# Altium PCB HYDRA_V3_LINK_V2.PcbDoc (part 2 of 2)
Units mm, origin at the board's own origin, x right, y up, seen from the top; angles counter-clockwise.
Board outline 50 x 45 mm, 6 copper layers (Top Layer, GND_1, SIG, PWR, GND_2, Bottom Layer), stack 0.816 mm thick; 161 components, 98 nets, 576 pads, 136 vias.
Unrouted connection lines stored in the file: 1.
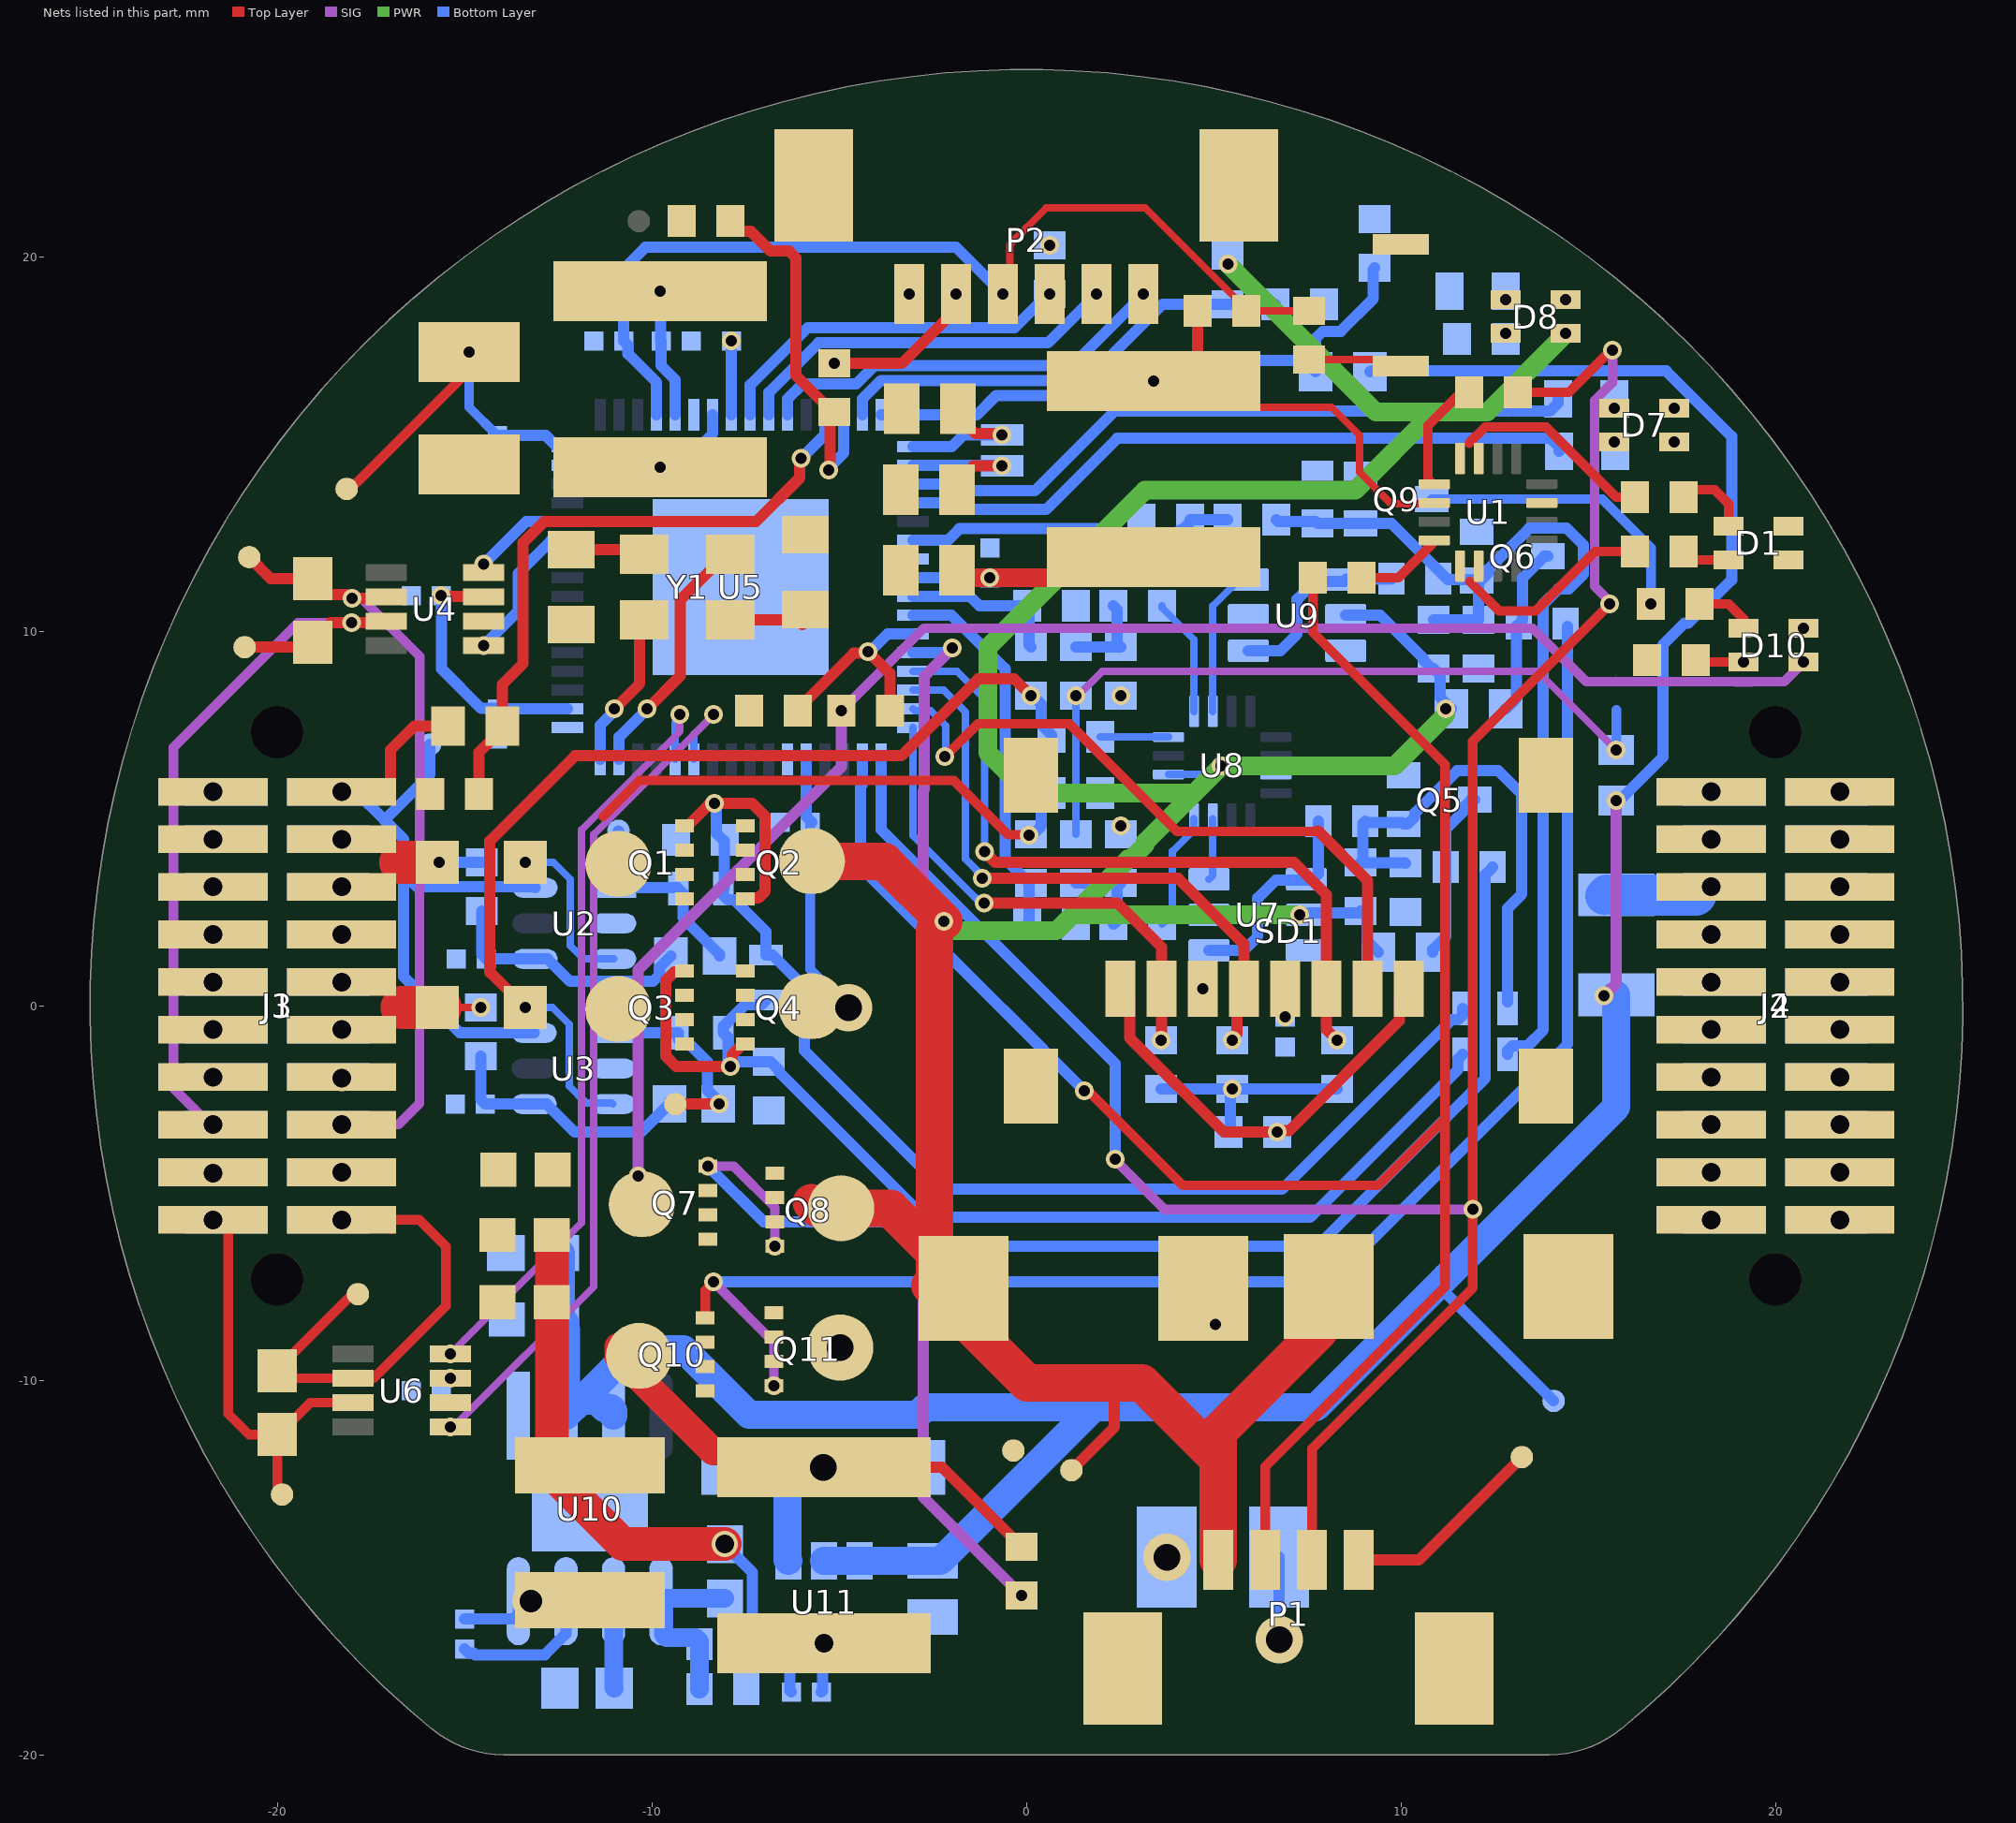
[diagram p6: the nets of this part, all layers, seen from the top]

## Part data (continued)
SD1: library part CMP-2000-05245-1, "MicroSD Card Connector, Hinge Type, -40 to 85 degC, 8-Pin SMD, RoHS, Tape and Reel", Current Rating=500mA, Manufacturer=Molex, Voltage Rating=100VDC, Brand=Molex, Card Type=microSD, Contact Material=CopperAlloy, Datasheet URL=http://www.molex.com/pdm_docs/sd/472192001_sd.pdf, Datasheet Version="Rev. F, 06/2009", Factory Pack Quantity=2400, Housing Material=Thermoplastic, Insertion - Extraction Style=Hinged, Manufacturer URL=http://www.molex.com/, Mounting Style=SMD/SMT, Number Of Contacts=8, Packaging=Reel, Pitch=1.09mm, Product=CardConnectors, Product Category=MemoryCardConnectors, RoHS=Details, Series=47219, Termination Style=SMD
SW1: library part CMP-10040-000029-1, "SWITCH TACTILE SPST-NO 0.02A 15V", Current Rating=5A, Flammability Rating="UL94 V-0", Insulation Color=Black, Max Operating Temperature=85°C, Min Operating Temperature=-40°C, Operating Force=240gf, Actuator Type=Standard, Connector Type=USB, Contact Plating=Gold, Gender=Receptacle, Illumination Type=Non-Illuminated, Mechanical Life=500000Cycles, Mount="Surface Mount", Number Of Contacts=24, Number of Ports=1, Packaging="Tape and Reel", Switch Function=Off-Mom, Switch Travel=0.13mm, Termination=Solder, Throw Configuration=SPST
TP1 TP2 TP3 TP4 TP5 TP6 TP7 TP8 TP9 TP10 TP11 TP12 TP13: library part CMP-00028-00002-2, "0.6mm round", Pins=1
U1 U8: library part CMP-014-00004-1, "LM2902 Series 30 V 1.3 MHz Low-Power Quad Operational Amplifier - QFN-16 (3x3)"
U2 U3: library part CMP-04896-000098-1, "40V, RAIL-TO-RAIL INPUT, PUSH-PU"
U4 U6: library part CMP-04872-000178-1, "IC TRANSCEIVER 1/1 SOT23-8", Case/Package=SOT-23-8, Max Operating Temperature=125°C, Min Operating Temperature=-40°C, Data Rate=1Mbps, Lead Free="Lead Free", Mount="Surface Mount", Packaging="Tape and Reel", RoHS Compliant=Yes
U5: library part CMP-016-00010-6, "Rudimentary symbol and footprint for the SAM E51 microcontroller"
U7 U9: library part CMP-0859-00189-4, "IC LTCH D-TYP SGL 3-OUT SOT-23-6", Ambient Temperature Range High=+125°C, Ambient Temperature Range Low=-40°C, Frequency=150MHz, Manufacturer="Texas Instruments", Max Junction Temp=+150°C, Max Supply Voltage=5.5V, Min Supply Voltage=1.5V, Nominal Supply Current=10uA, Package=DBV0006A, Temperature="-40°C to +125°C", Automotive=No, Category=IC, ComponentLink2Description=Datasheet, ComponentLink2URL=http://www.ti.com/lit/ds/symlink/sn74lvc1g373.pdf, Device Class L1="Integrated Circuits (ICs)", Device Class L2="Logic ICs", Device Class L3="Latches and Flip Flops", Digikey Description="IC LTCH D-TYP SGL 3-OUT SOT-23-6", Height=1.45mm, Lead Free=Yes, Logic Function Desc=Non-Inverting, Manufacturer Part Number=SN74LVC1G373DBVR, Mouser Description="Latches Sngl D Type Latch", Number of Circuits=1, Number of Inputs=1, Number of Outputs=1, Octopart=https://octopart.com/sn74lvc1g373dbvr-texas+instruments-471164, Propagation Delay=4.5ns, RoHS=TRUE, Standoff Height=0mm, Temperature Range High=+125°C, Temperature Range Low=-40°C
U10: library part CMP-019-00055-1, "Switching Regulator, Current-mode, 4A, 1000kHz Switching Freq-Max, PDSO8"
U11: library part CMP-12757-000006-1, "IC REG BUCK 3.3V 2A TSOT26", Ambient Temperature Range High=+85°C, Ambient Temperature Range Low=-40°C, Manufacturer="Diodes Inc.", Max Junction Temp=+160°C, Max Supply Voltage=32V, Min Supply Voltage=3.8V, Nominal Supply Current=22uA, Output Current=2A, Output Voltage=3.3V, Package=TSOT26, Switching Frequency=1.1MHz, Temperature="to +160°C", Automotive=No, Category=IC, ComponentLink2Description=Datasheet, ComponentLink2URL=https://www.diodes.com/assets/Datasheets/AP63200-AP63201-AP63203-AP63205.pdf, Device Class L1="Integrated Circuits (ICs)", Device Class L2="Power Management ICs", Device Class L3="Voltage Regulators - Switching", Digikey Description="IC REG BUCK 3.3V 2A TSOT26", Footprint Url=https://www.diodes.com/assets/Package-Files/TSOT26.pdf, Height=1mm, Lead Free=Yes, Manufacturer Part Number=AP63203WU-7, Mouser Description="AP63203 Series 3.3 V 2 A SMT Fixed Low IQ Synchronous Buck - TSOT-26", Number of Outputs=1, Octopart=https://octopart.com/ap63203wu-7-diodes+inc.-98099550, Output Type=Fixed, RoHS=TRUE, Standoff Height=0.01mm, Switching Topology=Buck, Temperature Range High=+160°C
Y1: library part CMP-27762-011708-1, "Crystal 48MHz ±20ppm 18pF SMD-4 3.2mm x 2.5mm", Case/Package=CSMD, ESR (Equivalent Series Resistance)=35R, Frequency=48MHz, Frequency Stability=50ppm, Frequency Tolerance=20ppm, Load Capacitance=18pF, Max Operating Temperature=70°C, Min Operating Temperature=-20°C, Operating Frequency="48 MHz", Package Quantity=1000, Resistor Type=Ceramic, Depth=2.5mm, Height=0.031inch, Lead Free="Lead Free", Length=3.2mm, Mount="Surface Mount", Number of Pins=4, Packaging="Tape and Reel", Radiation Hardening=No, REACH SVHC="No SVHC", RoHS Compliant=Yes, Series=ABM8, Series Resistance=35R, Termination=SMD/SMT, Tolerance=20ppm, Width=0.098inch
Y2: library part CMP-40224-000006-1, "CRYSTAL 32.7680KHZ 12.5PF SMD", Frequency=32.768kHz, Load Capacitance=12.5pF, Manufacturer="ECS International", Package=ECX-1210, Temperature="-40°C to +85°C", Temperature Range High=+85°C, Temperature Range Low=-40°C, Tolerance=20ppm, Automotive=No, Category=Crys, ComponentLink2Description=Datasheet, ComponentLink2URL=https://ecsxtal.com/store/pdf/ECX-1210.pdf, Device Class L1="Passive Components", Device Class L2="Crystals / Oscillators", Device Class L3=Crystals, Digikey Description="CRYSTAL 32.7680KHZ 12.5PF SMD", Esr=90kΩ, Height=0.5mm, Lead Free=Yes, Manufacturer Part Number=ECS-.327-12.5-1210-TR, Octopart=https://octopart.com/ecs-.327-12.5-1210-tr-ecs+international-81221340, RoHS=TRUE, Series=ECX-1210

## Via types
v1: diameter 0.5, hole 0.3, Top Layer to Bottom Layer, 88 vias
v2: diameter 0.7, hole 0.5, Top Layer to Bottom Layer, 42 vias
v3: diameter 1.27, hole 0.711, Top Layer to Bottom Layer, 5 vias
v4: diameter 1, hole 0.6, Top Layer to Bottom Layer, 1 vias

## Nets (pads, with @x,y where several pads share a name; then routed paths per layer and width w, separated by ;. In a path a pad name is that pad's centre, name@x,y a point inside that pad or via, vN(x,y) a via of type N, cw(c..) or ccw(c..) an arc to the next point about the centre after c; other vN are vias at no path point)
3V3: C3.1 C7.1 C8.2 C10.2 C11.1 C12.1 C18.1 C26.2 C27.2 D7.2 D7.3 D8.3 D10.3 L1.1 P2.5 Q4.5-6-7-8 Q11.5-6-7-8 R13.2 R20.2 R26.1 R29.2 R30.2 R31.2 R32.2 SD1.4 TP7.TAP U1.2 U4.3 U5.21 U5.34 U5.48 U5.56 U6.3 | length 50
  Top Layer w0.2: v1(3.4,16.675) 4.1,15.975 8.15,15.975 8.75,15.375 8.9,15.225 8.9,14.24 9.735,13.405 U1.2@10.722,13.405
  Top Layer w0.254: TP7.TAP@-18.038,13.812 -18.038,13.818 -17.883,13.973 -17.877,13.973 -14.875,16.975 C27.2@-14.875,17.45 ; C27.2@-15.432,16.898 v1(-14.88,17.45)
  Top Layer w0.3: TP7.TAP@-18.15,13.8 TP7.TAP@-18.093,13.857 ; v1(-15.625,10.95) -15.607,10.932 -14.516,10.932 U4.3@-14.497,10.913 ; C27.2@-15.43,17.45 v1(-14.88,17.45) ; v1(-5.125,17.15) -3.325,17.15 -1.875,18.6 v1(-1.875,19) ; L1.1@4.575,17 R26.1@4.575,18.55
  Bottom Layer w0.254: v1(-14.88,17.45) -14.88,15.98 C7.1@-14.125,15.225 ; C12.1@-5.775,4.9 -5.775,0.97 v3(-4.755,-0.05)
  Bottom Layer w0.3: C8.2@-15.616,10.941 -15.616,8.991 -14.562,7.937 C11.1@-14.125,7.937 ; C11.1@-14.125,7.925 -12.532,7.925 U5.34@-12.257,7.925 ; C7.1@-14.125,15.225 -12.832,15.225 -12.532,14.925 U5.48@-12.257,14.925 ; U5.56@-7.875,15.775 v1(-7.875,17.75) ; U5.21@-5.875,6.575 -5.875,5.05 C12.1@-5.725,4.9 ; R31.2@3.6,-2.225 v1(5.5,-2.225) ; R32.2@5.4,-3.375 5.45,-3.325 5.45,-2.275 v1(5.5,-2.225) ; v3(6.75,-16.925) C26.2@6.75,-14.725 ; R30.2@8.3,-2.225 v1(5.5,-2.225)
  other v1: -15.385,-9.95 6.905,-0.3 20.75,10.075 17.3,15.05 17.3,15.95 14.4,18.85 0.625,20.3
  other v3: -4.975,-9.128
3V3_CUTOFF_MOSFET: D2.C D5.A D6.C Q3.4 Q4.4 R6.2 | length 30.9
  Top Layer w0.3: Q3.4@-9.13,0.925 -9.155,0.9 -9.405,0.9 -9.632,0.673 -9.632,-1.343 -9.35,-1.625 v1(-7.9,-1.625) -7.862,-1.587 -7.862,-1.307 -7.58,-1.025 Q4.4@-7.505,-1.025
  Bottom Layer w0.3: v1(-7.9,-1.625) -7.9,-1.571 -7.969,-1.502 -7.969,-0.85 D6.C@-8.094,-0.725 -8.094,-0.55 -7.519,0.025 -7.075,0.025 D5.A@-6.95,0.15 ; v1@-7.721,-1.5 -6.825,-1.5 -6.6,-1.725 -6.6,-1.775 -2.725,-5.65 7.575,-5.65 11.525,-1.7 11.525,-1.425 D2.C@11.65,-1.3
3V3_EXT_SENSE: R54.1 R56.2 U5.9 | length 4.3
  Bottom Layer w0.3: U5.9@-3.025,10.925 -1.5,10.925 -1.25,10.675 R56.2@0.025,10.675 0.075,10.625 0.075,9.625 R54.1@0.125,9.575
3V3_INT_SENSE: R66.1 R67.2 U5.12 | length 27.8
  SIG w0.3: v1(-1.975,9.55) -2.725,8.8 -2.725,5.773 -2.751,5.747 -2.751,-13.124 v1(-0.125,-15.75)
  Bottom Layer w0.3: U5.12@-3.025,9.425 -2.181,9.425 -2.056,9.55 v1(-1.975,9.55)
3V3_OC_TP: D6.A R11.1 TP2.1 U3.1 | length 5.3
  Top Layer w0.3: TP2.1@-9.375,-2.625 v1@-8.206,-2.624
  Bottom Layer w0.3: U3.1@-11.045,-0.725 D6.A@-9.294,-0.725 -9.294,-0.9 -9.169,-1.025 -8.994,-1.025 -8.519,-1.5 -8.519,-2.25 R11.1@-8.219,-2.55
  other v1: -8.205,-2.623
3V3_POST_SHUNT: Q3.5-6-7-8 R9.2 R51.2 R54.2 U3.3 | length 27
  Top Layer w0.3: v1(-13.38,-0.05) -14.325,0.895 -14.325,4.4 -12.05,6.675 -3.34,6.675 -1.29,8.726 -0.326,8.726 v1(0.125,8.275)
  Bottom Layer w0.2: v1(-13.38,-0.05) -12.65,-0.05 -12.2,-0.5 -12.2,-2.15 -11.753,-2.597 -11.074,-2.597 U3.3@-11.045,-2.625
  Bottom Layer w0.3: v1(0.125,8.275) 0.175,8.275 0.4,8.05 0.4,7.5 0.675,7.225 R51.2@0.675,7.175
3V3_PRE_SHUNT: J1.09 J1.10 J1.11 J1.12 J3.10 J3.11 J3.12 J3.@-21.715,0.635 R9.1 R10.2 | length 2.2
  Top Layer w0.203: R9.1@-15.73,-0.05 v1(-14.569,-0.05)
  Top Layer w1.15: -16.673,-0.05 R9.1@-15.655,-0.05
  other v2: -21.715,-0.635 -18.285,-0.633 -21.715,0.635 -18.285,0.635
3V3_SENSE: R13.1 R17.2 U5.62 | length 10
  Top Layer w0.3: R17.2@-7.9,20.95 -7.9,20.9 -7.675,20.675 -7.356,20.675 -6.829,20.148 -6.336,20.148 -6.16,19.973 -6.16,16.835 R13.1@-5.175,15.85 ; v1(-5.28,14.304) -5.242,14.343 -5.242,15.783 R13.1@-5.175,15.85 ; R13.1@-5.125,15.85 R13.1@-5.175,15.85
  Bottom Layer w0.3: v1(-5.28,14.304) -5.28,14.358 -4.875,14.763 U5.62@-4.875,15.775
5V: C28.1 C29.1 D8.2 P1.1 Q2.5-6-7-8 Q8.5-6-7-8 R12.2 R33.1 R40.2 R46.1 R53.2 TP4.1 U7.5 U8.2 U9.5 | length 102.7
  Top Layer w0.3: TP4.1@1.2,-12.4 2.35,-11.25 2.35,-10.075
  Top Layer w1: Q8.5-6-7-8@-5.737,-5.262 -5.59,-5.41 -5.047,-5.41 -5.042,-5.414 -3.636,-5.414 C29.1@-2.475,-6.575 ; Q2.5-6-7-8@-5.733,3.863 -5.718,3.848 -3.795,3.848 -2.201,2.254 v1(-2.201,2.249) ; C29.1@-2.575,-7.475 0.025,-10.075 2.35,-10.075 3.083,-10.075 5.125,-12.117 ; C29.1@-2.45,-7.225 -2.45,2 ; P1.1@5.125,-14.8 5.125,-12.117 ; C28.1@7.838,-8.662 5.125,-11.375 5.125,-12.117
  PWR w0.5: v1(-2.201,2.249) -2.196,2.249 -1.947,2 0.8,2 1.225,2.425 ; v1(5.379,19.804) 9.326,15.856 10.871,15.856 ; v1(7.3,2.425) 1.225,2.425 ; v1(11.2,7.925) 11.2,7.775 9.825,6.4 v1(5.2,6.4) 4.475,5.675 ; v1(14.4,17.95) 12.306,15.856 10.871,15.856 ; 1.225,2.425 2.725,3.925 2.794,3.925 3.175,4.306 3.175,4.375 4.475,5.675 ; 4.475,5.675 0.05,5.675 -1.025,6.75 -1.025,9.575 3.162,13.762 8.778,13.762 10.871,15.856
  Bottom Layer w0.2: U8.2@3.79,6.175 4.921,6.175 5.146,6.4 v1(5.2,6.4)
  Bottom Layer w0.3: v1(7.3,2.425) U7.5@7.475,2.425 7.525,2.475 8.875,2.475 R33.1@8.925,2.525 9.1,2.35 9.1,1.725 R40.2@9.4,1.425 ; U9.5@8.525,10.425 9.45,10.425 10.6,9.275 10.6,9.225 10.825,9 R46.1@10.875,9 11.05,8.825 11.05,8.225 R53.2@11.35,7.925 v1(11.2,7.925)
5V_CUTOFF_MOSFET: D3.C D4.C D5.C Q1.4 Q2.4 R7.2 | length 34.2
  Top Layer w0.3: Q1.4@-9.125,4.8 -9.05,4.8 -8.488,5.362 -8.363,5.362 v1(-8.325,5.4) -7.319,5.4 -6.982,5.062 -6.982,3.051 -7.157,2.875 -7.475,2.875 Q2.4@-7.5,2.85
  Bottom Layer w0.3: v1(-8.325,5.4) -8.325,5.346 -8.275,5.296 -8.275,4.602 -8.074,4.401 -8.074,3.149 D4.C@-8.098,3.125 -8.098,2.95 -7.973,2.825 -7.798,2.825 -6.95,1.977 D5.C@-6.95,1.35 -6.775,1.35 -5.925,0.5 -5.925,-1.2 -2.225,-4.9 6.825,-4.9 11.35,-0.375 11.525,-0.375 11.65,-0.25 D3.C@11.65,-0.075
5V_EXT_SENSE: R41.1 R43.2 U5.10 | length 10.2
  Bottom Layer w0.3: U5.10@-3.025,10.425 -2,10.425 -0.574,8.999 -0.574,3.924 0.075,3.275 0.075,2.225 R43.2@0.025,2.175
5V_INT_SENSE: R59.1 R61.2 U5.11 | length 5.8
  Top Layer w0.3: R61.2@-6.1,7.875 -6.1,7.925 -4.613,9.412 -4.263,9.412 v1(-4.225,9.45) -3.648,8.873 R59.1@-3.648,7.875
  Bottom Layer w0.3: v1(-4.225,9.45) -4.185,9.45 -3.71,9.925 U5.11@-3.025,9.925
5V_OC_TP: D4.A R8.1 TP1.1 U2.1 | length 5.6
  Bottom Layer w0.3: TP1.1@-10.893,4.672 -10.893,4.591 -11.022,4.461 U2.1@-11.022,3.15 -9.323,3.15 D4.A@-9.298,3.125 -9.173,3 -9.173,2.35 -8.198,1.375 R8.1@-8.198,1.325
5V_POST_SHUNT: Q1.5-6-7-8 R4.2 R38.2 R41.2 U2.3 | length 18.3
  Top Layer w0.254: -11.307,5.05 -10.345,6.013 -1.937,6.013 -0.488,4.563 v1@0.113,4.563
  Bottom Layer w0.2: v1(-13.38,3.825) -12.625,3.825 -12.175,3.375 -12.175,1.6 -11.825,1.25 U2.3@-11.022,1.25
  Bottom Layer w0.3: v1(0.075,4.55) 0.1,4.55 R41.2@0.125,4.575 0.175,4.575 0.4,4.8 0.4,5.35 0.675,5.625 R38.2@0.675,5.675
5V_PRE_SHUNT: J1.03 J1.04 J1.05 J1.06 J3.03 J3.04 J3.05 J3.06 R4.1 R5.2 | length 2.1
  Top Layer w1.15: -16.708,3.825 R4.1@-15.73,3.825
  Bottom Layer w0.3: v1(-15.675,3.825) R5.2@-14.548,3.825
  other v2: -21.715,3.175 -18.285,3.175 -21.715,4.445 -18.285,4.445
5V_SENSE: R12.1 R16.2 U5.63 | length 12.5
  Bottom Layer w0.3: U5.63@-4.375,15.775 -4.375,16.206 -3.886,16.695 1.598,16.695 3.628,18.725 R12.1@5.375,18.725 R16.2@6.65,18.725
5V_SENSE_TAP: C30.1 C31.1 C32.1 C33.1 D10.2 L3.2 Q7.5-6-7-8 R58.2 R59.2 | length 56.5
  Top Layer w0.9: L3.2@-12.671,-12.321 C31.1@-12.671,-7.919 C32.1@-12.671,-6.2 ; L3.2@-12.55,-12.6 -10.776,-14.374 v2(-8.05,-14.374)
  SIG w0.254: v1(-4.948,7.875) -2.746,10.077 13.52,10.077 14.947,8.65 18.93,8.65 18.932,8.648 19.368,8.648 19.37,8.65 20.225,8.65 v1(20.75,9.175)
  SIG w0.3: v1(-10.371,-4.55) -10.371,0.954 -4.948,6.377 v1(-4.948,7.875)
  Bottom Layer w0.3: v2(-8.05,-14.374) -8.05,-14.398 -7.319,-15.129 -7.319,-16.894 R58.2@-7.475,-17.05
CAN0_R_N: J1.16 J3.16 R21.1 TP12.1 U4.6 | length 20.6
  Top Layer w0.3: TP12.1@-20.752,11.978 -20.183,11.41 ; -20.174,11.4 R21.1@-19.05,11.4 ; R21.1@-19.05,11.35 -18.675,10.975 -18.156,10.975 -18.056,10.875 v1(-18.002,10.875) U4.6@-17.275,10.875
  SIG w0.254: v2(-18.285,-3.175) -16.775,-3.175 -16.202,-2.602 -16.202,4.043 -16.2,4.045 -16.2,9.328 -17.747,10.875 v1(-18.002,10.875) ; v1(-18.002,10.875) v1@-18,10.873
CAN0_R_P: J1.15 J3.15 R21.2 TP10.1 U4.7 | length 20.6
  Top Layer w0.3: TP10.1@-20.875,9.575 -19.175,9.575 R21.2@-19.05,9.7 -19.05,9.75 -18.575,10.225 -18,10.225 U4.7@-17.275,10.225
  SIG w0.254: v2(-21.715,-3.175) -21.8,-3.175 -22.775,-2.2 -22.775,6.9 -19.45,10.225 v1(-18.02,10.225)
CAN0_RX: U4.4 U5.44 | length 2.7
  Bottom Layer w0.3: v1(-14.497,11.788) -13.361,12.925 U5.44@-12.257,12.925
CAN0_TX: U4.1 U5.43 | length 4
  Bottom Layer w0.3: v1(-14.497,9.613) -13.573,10.537 -13.573,11.539 -12.688,12.425 U5.43@-12.257,12.425
CAN1_R_N: J1.20 J3.20 R22.1 TP13.1 U6.6 | length 10.6
  Top Layer w0.2: R22.1@-20,-9.75 R22.1@-20,-9.7
  Top Layer w0.254: R22.1@-20.012,-9.713 -20,-9.7 TP13.1@-17.925,-7.625 ; R22.1@-20,-9.75 R22.1@-19.6,-9.75 ; R22.1@-19.8,-9.95 -18.535,-9.95 ; -17.435,-9.95 -15.5,-8.015 -15.5,-6.425 -16.21,-5.715 J3.20@-16.825,-5.715 ; J3.20@-16.952,-5.973 J3.20@-16.952,-5.958
  other v2: -18.285,-5.715
CAN1_R_P: J1.19 J3.19 R22.2 TP11.1 U6.7 | length 10.6
  Top Layer w0.254: J3.19@-21.715,-5.725 v2(-21.715,-5.715) ; J3.19@-21.547,-5.725 -21.314,-5.958 -21.314,-10.894 -20.757,-11.451 R22.2@-20,-11.45 ; R22.2@-20,-11.7 -20,-12.925 TP11.1@-19.875,-13.05 ; R22.2@-20,-11.475 -19.125,-10.6 U6.7@-17.985,-10.6
CAN1_RX: U5.28 U6.4 | length 20.9
  SIG w0.2: v1(-15.385,-9.3) -11.875,-5.79 -11.875,4.7 -9.25,7.325 v1(-9.25,7.775)
  Bottom Layer w0.2: U5.28@-9.375,6.575 -9.375,7.569 -9.25,7.694 v1(-9.25,7.775)
CAN1_TX: U5.27 U6.1 | length 23.4
  SIG w0.2: v1(-15.385,-11.25) -15.304,-11.25 -15.157,-11.104 -15.154,-11.104 -11.55,-7.5 -11.55,4.575 v1(-8.35,7.775)
  Bottom Layer w0.2: U5.27@-8.875,6.575 -8.875,7.25 v1(-8.35,7.775)
EXT_3V3_MOSFET: D2.A Q6.1 Q9.1 R44.2 R46.2 R47.1 R50.1 R65.2 | length 26.7
  Bottom Layer w0.3: R44.2@6.675,12.975 6.725,12.925 7.725,12.925 R65.2@7.775,12.875 Q9.1@8.925,12.875 9.75,12.875 11.25,11.375 12,11.375 Q6.1@12.025,11.35 12.125,11.35 12.325,11.55 12.325,11.65 13.425,12.75 14.425,12.75 14.875,12.3 14.875,11.525 14.477,11.127 14.196,11.127 13.798,10.729 13.798,-0.652 13.381,-1.069 12.975,-1.069 12.85,-1.194 D2.A@12.85,-1.3 ; R46.2@10.875,10.3 R50.1@12.075,10.3 Q6.1@12.075,11.3
EXT_5V_MOSFET: D3.A Q5.1 R33.2 R34.1 R37.1 | length 13.2
  Bottom Layer w0.3: R37.1@10.125,3.8 10.112,3.813 8.938,3.813 R33.2@8.925,3.825 8.988,3.888 8.988,4.863 R34.1@9.05,4.925 9.088,4.888 10.037,4.888 Q5.1@10.075,4.85 10.175,4.85 10.375,5.05 10.375,5.15 11.5,6.275 12.599,6.275 13.225,5.649 13.225,2.978 12.85,2.603 D3.A@12.85,0.1
FAILOVER_SENSE: R44.1 R45.2 U5.6 | length 9.1
  Bottom Layer w0.3: U5.6@-3.025,12.425 -2.1,12.425 -1.788,12.737 2.013,12.737 2.6,12.15 3.55,12.15 4.1,12.7 4.15,12.7 4.375,12.925 R45.2@4.375,12.975 R44.1@5.375,12.975
G_LED: R24.2 U5.3 | length 18.4
  Bottom Layer w0.3: U5.3@-3.025,13.925 -1.9,13.925 -1.725,13.75 0.225,13.75 2.35,15.875 13.975,15.875 14.2,16.1 R24.2@14.2,16.2
GND: C1.2 C2.2 C3.2 C4.1 C5.2 C6.2 C7.2 C8.1 C9.2 C10.1 C11.2 C12.2 C13.2 C14.2 C15.2 C16.2 C17.2 C18.2 C20.2 C21.2 C23.2 C24.2 C25.2 C26.1 C27.1 C28.2 C29.2 C31.2 C32.2 C33.2 C34.2 D1.1 D1.4 D9.1 J1.07 J1.08 J1.13 J1.14 J1.17 J1.18 J2.09 J2.10 J2.11 J2.12 J2.13 J2.14 J2.15 J2.16 J2.17 J2.18 J2.19 J2.20 J3.07 J3.08 J3.13 J3.14 J3.17 J3.18 J4.09 J4.10 J4.11 J4.12 J4.13 J4.14 J4.15 J4.16 J4.17 J4.18 J4.19 J4.20 P1.4 P1.MP1 P1.MP2 P2.6 P2.S1 P2.S2 Q5.2 Q6.2 Q9.2 R6.1 R7.1 R16.1 R17.1 R18.1 R19.1 R27.2 R28.2 R37.2 R39.2 R43.1 R45.1 R50.2 R52.2 R56.1 R60.1 R61.1 R62.2 R65.1 R67.1 SD1.6 SD1.9 SD1.10 SD1.11 SD1.12 SW1.2 TP3.1 TP9.1 U1.11 U2.2 U3.2 U4.2 U5.7 U5.22 U5.33 U5.47 U5.54 U5.65 U6.2 U7.2 U7.6 U8.11 U9.2 U9.6 U10.1 U10.9 U11.4 | length 5.5
  Top Layer w0.3: P1.4@8.875,-14.8 10.475,-14.8 TP9.1@13.225,-12.05
  other v1: 5.05,-8.51 4.705,0.45 2.525,4.8 2.525,8.275 -3.125,19
  other v2: 18.285,-5.715 21.715,-5.715 -21.715,-4.475 -18.285,-4.445 18.285,-4.445 21.715,-4.445 18.285,-3.175 21.715,-3.175 -18.285,-1.933 -21.715,-1.905 18.285,-1.905 21.715,-1.905 18.285,-0.635 21.715,-0.635 18.285,0.635 21.715,0.635 -21.715,1.905 -18.285,1.905
  other v3: 3.75,-14.725
INT_3V3_MOSFET: Q10.4 Q11.4 R55.2 | length 41.1
  Top Layer w0.254: Q10.4@-8.575,-8.337 -8.575,-7.6 v1(-8.35,-7.375)
  Top Layer w0.3: v1@-8.35,-7.385 v1(-8.35,-7.375)
  SIG w0.254: v1@-8.35,-7.38 -6.743,-8.987 v1(-6.743,-10.14)
  Bottom Layer w0.3: v1(-8.35,-7.375) 8.1,-7.375 14.45,-1.025 R55.2@14.45,10.134
INT_5V_MOSFET: Q7.4 Q8.4 R42.2 | length 32.5
  SIG w0.254: v1(-8.5,-4.287) -7.812,-4.287 -6.719,-5.381 v1(-6.719,-6.422)
  Bottom Layer w0.3: v1(-8.5,-4.287) -7.015,-5.772 -3.171,-5.772 -2.518,-6.425 7.764,-6.425 12.25,-1.939 12.25,3.5 R42.2@12.45,3.7
LE_3V3: R47.2 U9.1 U9.4 | length 5.2
  Bottom Layer w0.3: U9.1@5.925,9.475 6.776,9.475 7.225,9.924 7.225,10.85 7.709,11.334 8.484,11.334 U9.4@8.525,11.375 8.538,11.387 9.737,11.387 R47.2@9.75,11.4
LE_5V: R34.2 U7.1 U7.4 | length 5.8
  Bottom Layer w0.3: U7.1@4.875,1.475 5.8,1.475 6.175,1.85 6.175,2.875 6.651,3.351 7.626,3.351 7.8,3.525 R34.2@7.8,4.925
NetC1_1: C1.1 R5.1 R8.2 U2.4 | length 6.9
  Bottom Layer w0.3: R5.1@-14.548,2.525 -14.548,1.373 C1.1@-14.425,1.25 U2.4@-13.123,1.25 -12.786,1.25 -12.186,0.65 -9.974,0.65 -9.798,0.826 -9.798,1.025 R8.2@-9.498,1.325
NetC2_1: C2.1 R10.1 R11.2 U3.4 | length 6.9
  Bottom Layer w0.3: R10.1@-14.569,-1.35 -14.569,-2.506 C2.1@-14.45,-2.625 U3.4@-13.146,-2.625 -12.808,-2.625 -12.058,-3.375 -10.294,-3.375 -9.519,-2.6 R11.2@-9.519,-2.55
NetC4_2: C4.2 C5.1 L2.2 U5.53 | length 3.5
  Bottom Layer w0.3: v1(-9.779,19.075) -9.764,19.061 -9.764,17.764 C5.1@-9.75,17.75 -9.75,17.088 -9.375,16.712 U5.53@-9.375,15.775
NetC13_1: C13.1 Y1.2 | length 2
  Top Layer w0.3: Y1.2@-7.9,10.3 -6.1,10.3 C13.1@-5.975,10.175
NetC14_1: C14.1 Y1.4 | length 2
  Top Layer w0.3: C14.1@-12.15,12.175 -10.325,12.175 Y1.4@-10.2,12.05
NetC19_1: C19.1 U10.7 | length 3.9
  Bottom Layer w0.3: C19.1@-15,-17.175 -14.89,-17.285 -14.757,-17.285 -14.714,-17.328 -12.858,-17.328 -12.295,-16.766 U10.7@-12.295,-15.9
NetC19_2: C19.2 L3.1 U10.8 | length 2.2
  Bottom Layer w0.3: C19.2@-15,-16.375 -13.714,-16.375 -13.565,-16.226 U10.8@-13.565,-15.9 v4(-13.233,-15.9)
NetC22_1: C22.1 U11.6 | length 1.3
  Bottom Layer w0.3: U11.6@-6.35,-17.025 -6.312,-17.063 -6.312,-18.288 C22.1@-6.275,-18.325
NetC22_2: C22.2 L4.1 U11.5 | length 1.3
  Bottom Layer w0.3: C22.2@-5.475,-18.325 -5.437,-18.287 -5.437,-17.063 v2(-5.4,-17.025)
NetC24_1: C24.1 C25.1 L4.2 Q10.5-6-7-8 R66.2 U11.1 | length 16.6
  Top Layer w0.3: L4.2@-5.4,-12.325 -2.25,-12.325 -0.4,-14.175 -0.4,-14.225 -0.175,-14.45 R66.2@-0.125,-14.45
  Top Layer w0.75: Q10.5-6-7-8@-10.897,-9.102 -10.897,-9.372 -8.369,-11.9 -5.85,-11.9 v3(-5.425,-12.325)
  Bottom Layer w0.75: U11.1@-6.35,-14.826 -6.375,-14.801 -6.375,-12.35 C24.1@-6.399,-12.325 v3(-5.425,-12.325)
NetC30_2: C30.2 R58.1 R60.2 U10.5 | length 4.9
  Bottom Layer w0.5: R60.2@-8.725,-18.25 R58.1@-8.725,-17.05 -8.725,-16.975 -8.825,-16.875 -9.612,-16.875 -9.699,-16.789 -9.699,-15.826 C30.2@-8.05,-15.826
NetC34_1: C34.1 U10.6 | length 2.3
  Bottom Layer w0.5: U10.6@-11.025,-15.9 -11.013,-15.913 -11.013,-18.213 C34.1@-11,-18.225
NetD1_2: D1.2 R1.2 | length 1.6
  Top Layer w0.254: R1.2@17.875,13.775 18.375,13.775 18.75,13.4 D1.2@18.75,12.8
NetD1_3: D1.3 R3.2 | length 1.1
  Top Layer w0.254: R3.2@17.625,11.9 D1.3@18.75,11.9
NetD7_1: D7.1 R23.1
  other v1: 15.7,15.05
NetD7_4: D7.4 R24.1
  other v1: 15.7,15.95
NetD8_1: D8.1 R27.1
  other v1: 12.8,17.95
NetD8_4: D8.4 R28.1
  other v1: 12.8,18.85
NetD10_1: D10.1 R62.1 | length 1.2
  Top Layer w0.254: R62.1@17.925,9.175 v1(19.15,9.175)
NetD10_4: D10.4 R64.1 | length 1.3
  Top Layer w0.254: R64.1@17.975,10.725 18.75,10.725 19.15,10.325
NetL2_1: L2.1 U5.55 | length 2.3
  Bottom Layer w0.3: v1(-9.779,14.375) -9.74,14.413 -9.237,14.413 -8.375,15.275 U5.55@-8.375,15.775
NetQ1_1: Q1.1 Q1.2 Q1.3 Q2.1 Q2.2 Q2.3
NetQ3_1: Q3.1 Q3.2 Q3.3 Q4.1 Q4.2 Q4.3
NetQ5_3: Q5.3 R40.1 R42.1 | length 4.6
  Bottom Layer w0.3: R40.1@10.85,1.425 10.85,1.5 11.2,1.85 R42.1@11.2,3.7 11.2,4.725 11.675,5.2 11.675,5.3 11.875,5.5 Q5.3@11.975,5.5
NetQ6_3: Q6.3 R53.1 R55.1 | length 4.6
  Bottom Layer w0.3: R53.1@12.8,7.925 13.088,8.212 13.088,10.138 13.25,10.3 13.25,11.425 13.825,12 Q6.3@13.925,12
NetQ7_1: Q7.1 Q7.2 Q7.3 Q8.1 Q8.2 Q8.3
NetQ9_3: Q9.3 R64.2 | length 7.9
  Bottom Layer w0.254: Q9.3@10.825,13.525 15.375,13.525 16.675,12.225 v1(16.675,10.725)
NetQ10_1: Q10.1 Q10.2 Q10.3 Q11.1 Q11.2 Q11.3
NetR1_1: R1.1 U1.15 U1.16 | length 5.4
  Top Layer w0.254: 11.815,15.02 12.245,15.45 13.875,15.45 15.75,13.575 R1.1@16.25,13.575
NetR2_1: R2.1 U1.1 | length 3
  Top Layer w0.254: U1.1@10.806,13.98 10.722,14.064 10.722,15.497 11.6,16.375 R2.1@11.825,16.375
NetR3_1: R3.1 U1.5 U1.6 | length 5.4
  Top Layer w0.254: 11.83,11.33 12.622,10.537 13.587,10.537 15.175,12.125 R3.1@16.25,12.125
NetR25_2: R25.2 SW1.1 | length 2.5
  Top Layer w0.2: R25.2@7.55,17.25 9.35,17.25 9.525,17.075 SW1.1@10,17.075
NetR35_2: R35.2 R36.2 R39.1 | length 2.4
  Bottom Layer w0.3: R35.2@1.325,3.275 R39.1@2.525,3.275 2.425,3.175 2.425,2.275 R36.2@2.325,2.175
NetR36_1: R36.1 U8.16 | length 3.2
  Bottom Layer w0.2: R36.1@3.625,2.175 3.9,2.45 3.9,4.125 4.475,4.7 U8.16@4.475,4.99
NetR38_1: R38.1 U8.1 | length 1.8
  Bottom Layer w0.2: R38.1@1.975,5.675 U8.1@3.79,5.675
NetR48_2: R48.2 R49.2 R52.1 | length 2.4
  Bottom Layer w0.3: R48.2@1.325,9.575 R52.1@2.525,9.575 2.425,9.675 2.425,10.575 R49.2@2.325,10.675
NetR49_1: R49.1 U8.5 | length 3.2
  Bottom Layer w0.2: R49.1@3.625,10.675 3.625,10.625 4.475,9.775 U8.5@4.475,7.86
NetR51_1: R51.1 U8.4 | length 1.8
  Bottom Layer w0.2: R51.1@1.975,7.175 U8.4@3.79,7.175
NetR63_1: R63.1 U1.4 | length 2.2
  Top Layer w0.254: R63.1@8.95,11.425 9.925,11.425 U1.4@10.825,12.325
NetU7_3: U7.3 U8.15 | length 1.7
  Bottom Layer w0.2: U7.3@4.875,3.375 4.975,3.475 U8.15@4.975,4.99
NetU8_6: U8.6 U9.3 | length 4.1
  Bottom Layer w0.2: U8.6@4.975,7.86 4.975,10.675 5.675,11.375 U9.3@5.925,11.375
PRE_PYRO_PWR: F1.1 J2.01 J2.02 J2.03 J2.04 J2.05 J2.06 J2.07 J2.08 J4.01 J4.02 J4.03 J4.04 J4.05 J4.06 J4.07 J4.08 | length 2.2
  Bottom Layer w1: F1.1@15.425,2.934 F1.1@15.496,3.005
  Bottom Layer w1.1: F1.1@15.75,2.959 J2.05@17.867,2.959
  other v2: 18.285,1.905 21.715,1.905 18.285,3.175 21.715,3.175 18.285,4.445 21.715,4.445 18.285,5.715 21.715,5.715
PYRO_PWR: C20.1 C21.1 C23.1 F1.2 R15.2 R57.2 TP6.1 U10.2 U10.3 U11.2 U11.3 | length 81.7
  SIG w0.3: v1(15.425,0.267) 15.75,0.592 v1(15.75,5.475)
  Bottom Layer w0.3: R15.2@9.175,16.923 9.203,16.952 17.076,16.952 18.827,15.201 18.827,11.371 17.667,10.211 17.564,10.211 16.998,9.645 16.998,6.648 15.825,5.475 v1(15.75,5.475) ; 11.212,-7.237 11.212,-7.687 TP6.1@14.075,-10.55
  Bottom Layer w0.75: C21.1@-12.449,-6.6 -12.436,-6.613 -12.436,-8.362 C20.1@-12.423,-8.375 -12.4,-8.375 -12.319,-8.456 -12.319,-8.621 -12.295,-8.645 U10.2@-12.295,-10.947 -11.898,-10.55 ; U10.3@-11.025,-10.947 -11.025,-10.815 -11.089,-10.751 -11.263,-10.751 -11.464,-10.55 -11.898,-10.55 ; U11.2@-5.4,-14.826 U11.3@-4.45,-14.826 ; U11.3@-4.45,-14.826 C23.1@-2.5,-14.825 ; C23.1@-2.5,-14.825 -2.3,-14.825 1.8,-10.725 ; F1.2@15.75,0.292 15.75,-2.7 11.212,-7.237 7.725,-10.725 1.8,-10.725 ; -11.898,-10.55 -10.523,-9.175 -9.15,-9.175 -7.41,-10.915 -2.9,-10.915 -2.71,-10.725 1.8,-10.725
PYRO_PWR_SENSE: R15.1 R19.2 U5.64 | length 16
  Bottom Layer w0.3: U5.64@-3.875,15.775 -1.326,15.775 -0.807,16.294 1.764,16.294 2.696,17.225 7.425,17.225 R15.1@7.725,16.923 ; R15.1@7.725,16.923 R15.1@7.725,16.923 ; R19.2@9.3,19.7 9.256,19.656 9.256,18.875 8.391,18.01 7.91,18.01 7.725,17.825 R15.1@7.725,16.923
R_LED: R23.2 U5.4 | length 18.3
  Bottom Layer w0.3: U5.4@-3.025,13.425 -2,13.425 -1.825,13.25 0.525,13.25 2.425,15.15 13.991,15.15 14.216,14.925 R23.2@14.216,14.805
RESETN: C15.1 P2.4 R25.1 R26.2 U5.52 | length 26.1
  Top Layer w0.2: v1(-0.625,19) -0.444,19.181 -0.444,20.331 0.525,21.3 3.175,21.3 5.875,18.6 R26.2@5.875,18.55 R25.1@7.55,18.55
  Bottom Layer w0.3: U5.52@-9.875,15.775 -9.875,16.645 -10.64,17.41 -10.64,17.64 C15.1@-10.75,17.75 -10.75,19.675 -10.175,20.25 -1.875,20.25 v1(-0.625,19)
SD_CLK: R29.1 SD1.5 U5.14 | length 16.7
  Top Layer w0.3: v1(-1.181,3.402) 4.053,3.402 5.805,1.65 SD1.5@5.805,0.45 5.621,0.266 5.621,-0.75 5.5,-0.871 v1(5.5,-0.925)
  Bottom Layer w0.2: U5.14@-3.025,8.425 -2.206,8.425 -1.625,7.844 -1.625,3.914 -1.181,3.47 v1(-1.181,3.402)
SD_CMD: R30.1 SD1.3 U5.13 | length 19.9
  Top Layer w0.3: v1(-1.124,4.12) -0.829,3.825 7.15,3.825 8.005,2.97 SD1.3@8.005,0.45 8.005,-0.63 v1(8.3,-0.925)
  Bottom Layer w0.2: U5.13@-3.025,8.925 -1.85,8.925 -1.124,8.199 v1(-1.124,4.12)
SD_CS: SD1.2 U5.15 | length 18.2
  Top Layer w0.254: v1@-2.168,6.657 -1.3,7.525 1.15,7.525 4.025,4.65 7.8,4.65
  Top Layer w0.3: 7.78,4.67 9.105,3.345 SD1.2@9.105,0.45
  Bottom Layer w0.2: U5.15@-3.025,7.925 -2.975,7.875 -2.55,7.875 -2.16,7.485 -2.16,6.665 v1(-2.175,6.65)
SD_DAT0: R31.1 SD1.7 U5.16 | length 13.2
  Top Layer w0.3: v1(-1.136,2.739) 2.436,2.739 3.605,1.57 SD1.7@3.605,0.45 3.602,0.448 3.602,-0.923 v1(3.6,-0.925)
  Bottom Layer w0.2: U5.16@-3.025,7.425 -3.025,4.539 -1.388,2.902 -1.381,2.902 -1.217,2.739 v1(-1.136,2.739)
SD_DAT_PULL_UP: R32.1 SD1.1 SD1.8 | length 11.8
  Top Layer w0.3: SD1.8@2.505,0.45 2.755,0.2 2.755,-0.858 5.272,-3.375 v1@6.671,-3.375 ; v1(6.7,-3.375) 6.738,-3.337 7.013,-3.337 9.955,-0.395 9.955,0.2 SD1.1@10.205,0.45
SWCLK: P2.3 R20.1 U5.57 | length 9.8
  Bottom Layer w0.3: U5.57@-7.375,15.775 -7.375,16.575 -5.848,18.102 -0.323,18.102 0.575,19 v1(0.625,19)
SWDIO: P2.2 U5.58 | length 10.4
  Bottom Layer w0.3: U5.58@-6.875,15.775 -6.875,16.375 -5.55,17.7 0.575,17.7 v1(1.875,19)
SWO: P2.1 U5.59 | length 11.1
  Bottom Layer w0.3: U5.59@-6.375,15.775 -6.375,16.206 -5.981,16.6 -4.549,16.6 -4.052,17.097 1.222,17.097 v1(3.125,19)
UART0_RX: P1.3 R2.2 U5.17 | length 62.4
  Top Layer w0.254: P1.3@7.625,-14.8 7.625,-11.825 11.914,-7.536 11.914,-5.511 11.95,-5.475 v1(11.914,-5.439) 11.914,7.064 v1(15.575,10.725) ; R2.2@13.125,16.375 14.475,16.375 15.602,17.502 v1(15.65,17.502)
  SIG w0.254: v1(2.375,-4.1) 2.375,-4.13 3.685,-5.439 v1(11.914,-5.439) ; v1(15.575,10.725) 15.575,10.792 15.173,11.194 15.173,16.168 15.65,16.645 v1(15.65,17.502)
  Bottom Layer w0.3: U5.17@-3.875,6.575 -3.875,4.7 2.375,-1.55 v1(2.375,-4.1)
UART0_TX: P1.2 R63.2 U5.18 | length 52.4
  Top Layer w0.254: v1(1.55,-2.275) 1.65,-2.275 4.175,-4.8 9.389,-4.8 11.175,-3.014 ; P1.2@6.375,-14.8 6.375,-12.3 11.175,-7.5 11.175,6.442 7.65,9.967 R63.2@7.65,11.425
  Bottom Layer w0.3: U5.18@-4.375,6.575 -4.375,5.915 -4.425,5.865 -4.425,3.694 -0.636,-0.094 -0.631,-0.094 v1(1.55,-2.275)
VCC: J1.01 J1.02 J3.01 J3.02 R14.2 TP5.1 U2.6 U3.6 | length 20.2
  Top Layer w0.3: v2(-18.285,5.715) -17.195,5.715 -16.975,5.935 -16.975,6.835 -16.348,7.462 R14.2@-15.448,7.462
  Bottom Layer w0.3: v2(-18.285,5.715) -17.895,5.715 -17.14,4.96 ; TP5.1@-15.925,6.975 -15.925,6.175 -17.14,4.96 ; U3.6@-13.146,-0.725 U3.6@-13.146,-0.725 -15.127,-0.723 -16.625,0.775 -16.625,3.525 ; U2.6@-13.123,3.15 -13.148,3.175 -16.275,3.175 -16.625,3.525 ; -17.14,4.96 -16.625,4.445 -16.625,3.525
  other v2: -21.715,5.715
VCC_SENSE: R14.1 R18.2 U5.61 | length 17.3
  Top Layer w0.3: R18.2@-14.623,5.66 -14.623,6.762 -13.998,7.387 R14.1@-13.998,7.462 -13.998,8.577 -13.439,9.136 -13.439,12.367 -12.879,12.927 -7.221,12.927 -6.057,14.09 -6.057,14.572 v1(-6.019,14.61)
  Bottom Layer w0.3: v1(-6.019,14.61) -5.375,15.255 U5.61@-5.375,15.775
VDD_ANA: C6.1 C9.1 L1.2 U5.8 | length 7.3
  Top Layer w0.3: L1.2@3.3,11.925 L1.2@3.525,12.15
  Top Layer w0.5: C6.1@-1.85,11.625 -1.65,11.425 v1(-0.975,11.425) L1.2@3.025,11.425
  Bottom Layer w0.3: U5.8@-3.025,11.425 v1(-0.975,11.425)
X_IN: U5.31 Y1.3 | length 6.8
  Top Layer w0.3: v1(-10.125,7.925) -9.243,8.807 -9.243,10.832 -8.025,12.05 Y1.3@-7.9,12.05
  Bottom Layer w0.3: U5.31@-10.875,6.575 -10.875,7.175 v1(-10.125,7.925)
X_OUT: U5.32 Y1.1 | length 4.2
  Top Layer w0.3: v1(-11,7.925) -10.325,8.6 -10.325,10.175 Y1.1@-10.2,10.3
  Bottom Layer w0.3: U5.32@-11.375,6.575 -11.375,7.496 -11,7.871 v1(-11,7.925)
XIN_32: C16.1 U5.1 Y2.1 | length 4.1
  Top Layer w0.3: C16.1@-1.832,15.945 -1.832,15.745 -1.363,15.276 -0.688,15.276 v1(-0.65,15.238)
  Bottom Layer w0.3: U5.1@-3.025,14.925 -1.998,14.925 -1.685,15.238 v1(-0.65,15.238)
XOUT_32: C17.1 U5.2 Y2.2 | length 4
  Top Layer w0.3: C17.1@-1.85,13.775 -1.85,13.975 -1.412,14.413 v1(-0.65,14.413)
  Bottom Layer w0.3: U5.2@-3.025,14.425 -0.662,14.425 v1(-0.65,14.413)
ZENER_5.1: D9.2 R35.1 R48.1 R57.1 | length 20.3
  SIG w0.2: v1(1.325,8.275) 1.367,8.275 2.017,8.925 13.65,8.925 v1(15.75,6.825)
  Bottom Layer w0.2: R35.1@1.325,4.575 v1(1.325,8.275)
  Bottom Layer w0.254: v1(15.75,6.825) 15.75,7.9
pads on no net: J1. J2. J3.@-20,7.305 J3.@-20,-7.305 J4. TP8.1 U1.3 U1.7 U1.8 U1.9 U1.10 U1.12 U1.13 U1.14 U2.5 U3.5 U4.5 U4.8 U5.5 U5.19 U5.20 U5.23 U5.24 U5.25 U5.26 U5.29 U5.30 U5.35 U5.36 U5.37 U5.38 U5.39 U5.40 U5.41 U5.42 U5.45 U5.46 U5.49 U5.50 U5.51 U5.60 U6.5 U6.8 U8.3 U8.7 U8.8 U8.9 U8.10 U8.12 U8.13 U8.14 U10.4

## Polygon pours and split planes (outlines as drawn)
VCC on SIG "VCC_L03_P033" (solid, pour order 33): -22.24,6.121 -17.78,6.121 -17.78,5.281 -22.24,5.281
PRE_PYRO_PWR on SIG "PRE_PYRO_PWR_L03_P029" (solid, pour order 29): 16.825,6.085 23.175,6.085 23.175,1.535 16.825,1.535
GND on Top Layer "GND_L01_P038" (solid, pour order 38): -15.888,-19.298 ccw(c-13.96,-17) -13.96,-20 13.96,-20 ccw(c13.96,-17) 15.888,-19.298 15.868,-19.318 ccw(c0,0)
3V3_POST_SHUNT on Top Layer "3V3_POST_SHUNT_L01_P013" (solid, pour order 13): -9.9,1.175 -13.145,1.175 -14.016,0.304 -13.915,-1.225 -13.825,-1.275 -13.449,-1.275 -9.9,-1.275
3V3_PRE_SHUNT on Top Layer "3V3_PRE_SHUNT_L01_P014" (solid, pour order 14): -16.723,1.107 -23.277,1.107 -23.277,-1.107 -16.723,-1.107
5V_PRE_SHUNT on Top Layer "5V_PRE_SHUNT_L01_P015" (solid, pour order 15): -16.723,4.917 -23.277,4.917 -23.277,2.703 -16.723,2.703
5V_POST_SHUNT on Top Layer "5V_POST_SHUNT_L01_P016" (solid, pour order 16): -9.892,5.05 -13.695,4.502 -13.955,3.247 -13.515,2.6 -9.892,2.6
NetQ7_1 on Top Layer "NETQ7_1_L01_P032" (solid, pour order 32): -9.38,-4.8 -8.88,-4.8 -7.755,-4.15 -6.469,-4.15 -6.469,-5.98 -8.066,-5.98 -8.88,-6.45 -9.38,-6.45
NetR1_1 on Top Layer "NETR1_1_L01_P017" (solid, remove dead copper, pour order 17): 12.186,15.02 11.445,15.02 11.445,14.2 12.186,14.2
NetR3_1 on Top Layer "NETR3_1_L01_P021" (solid, pour order 21): 12.205,12.15 11.455,12.15 11.455,11.33 12.205,11.33
PRE_PYRO_PWR on Top Layer "PRE_PYRO_PWR_L01_P037" (solid, pour order 37): 23.175,6.085 23.175,1.535 16.825,1.535 16.825,6.085
NetQ1_1 on Top Layer "NETQ1_1_L01_P030" (solid, pour order 30): -9.375,4.325 -8.875,4.325 -7.75,4.975 -7.25,4.975 -7.25,3.325 -7.75,3.325 -8.875,2.675 -9.375,2.675
5V_SENSE_TAP on Top Layer "5V_SENSE_TAP_L01_P036" (solid, pour order 36): -13.725,-3.994 -12.769,-3.994 -11.88,-4.075 -9.9,-4.075 -9.9,-6.525 -11.88,-6.525 -12.769,-6.631 -13.727,-6.631
NetQ10_1 on Top Layer "NETQ10_1_L01_P035" (solid, pour order 35): -9.38,-8.565 -8.88,-8.565 -7.755,-7.915 -6.493,-7.915 -6.493,-9.675 -7.045,-9.675 -8.364,-10.564 -9.38,-10.564
NetQ3_1 on Top Layer "NETQ3_1_L01_P031" (solid, pour order 31): -9.38,0.45 -8.88,0.45 -7.755,1.1 -7.255,1.1 -7.255,-0.55 -7.755,-0.55 -8.88,-1.2 -9.38,-1.2
GND on Bottom Layer "GND_L06_P019" (solid, pour order 19): -15.888,-19.298 ccw(c-13.96,-17) -13.96,-20 13.96,-20 ccw(c13.96,-17) 15.888,-19.298 15.868,-19.318 ccw(c0,0)
PRE_PYRO_PWR on Bottom Layer "PRE_PYRO_PWR_L06_P018" (solid, pour order 18): 17.525,1.535 22.475,1.535 22.475,6.085 17.525,6.085
VCC on PWR "VCC_L04_P008" (solid, pour order 8): -22.525,6.085 -17.525,6.085 -17.525,5.345 -22.525,5.345
3V3 on PWR "3V3_L04_P020" (solid, pour order 20): -15.888,-19.298 ccw(c-13.96,-17) -13.96,-20 13.96,-20 ccw(c13.96,-17) 15.888,-19.298 15.868,-19.318 ccw(c0,0)
GND on GND_1 "GND_L02_P026" (solid, pour order 26): -15.888,-19.298 ccw(c-13.96,-17) -13.96,-20 13.96,-20 ccw(c13.96,-17) 15.888,-19.298 15.868,-19.318 ccw(c0,0)
GND on GND_2 "GND_L05_P028" (solid, pour order 28): -15.888,-19.298 ccw(c-13.96,-17) -13.96,-20 13.96,-20 ccw(c13.96,-17) 15.888,-19.298 15.868,-19.318 ccw(c0,0)

## Silkscreen, mask and mechanical layers (free items; w line width, h text height)
Top Overlay:
  region: 980 vertices and 2 holes, not listed, extent 14.33,-15.265 19.53,-8.999
  text "PYRO" at -81.325,44.14 h0.5
  text "GND" at -81.075,42.87 h0.5
  text "3V3" at -74.766,33.35 h0.5
  text "5V" at -72.517,33.35 h0.5
  text "GND" at -74.766,31.35 h0.5
  text "VCC" at -72.766,31.35 h0.5
  text "DBG" at 7.15,23.149 h0.75 r270
  text "DBG" at -7.15,21.15 h0.75 r90
  text "RST" at 9.05,20.95 h0.75
  text "PWR" at 11.65,19.45 h0.75
  text "MCU" at 15.15,16.55 h0.75
  text "REG" at 18.398,13.302 h0.75
  text "CAN_0" at -19.85,12.325 h0.75
  text "LINK" at 18.65,10.55 h0.75
  text "HDR PWR SWITCHES" at -13.55,5.925 h0.75
  text "C0_HI" at -49.858,5.617 h0.5
  text "5V_OC" at -45.108,5.612 h0.5
  text "C0_LO" at -49.942,4.342 h0.5
  text "3V3_OC" at -45.358,4.342 h0.5
  text "C1_HI" at -49.817,3.072 h0.5
  text "GND" at -44.775,2.9 h0.5
  text "C1_LO" at -49.9,1.802 h0.5
  text "INT. PWR SWITCHES" at -14.2,-3.11 h0.75
  text "HYDRA_V3_LINK" at 1.925,-11.55 h0.75
  text "Designed by Serban and Karim <3" at -1.225,-12.983 h0.5
  text "CAN_1" at -18.525,-13.55 h0.75
  text "5V reg placement not ok" at 3.592,-23.796 h0.75
  text "Maybe reuse old diodes one and pray?" at 3.567,-25.296 h0.75
Bottom Overlay:
  text "MCU" at -65.025,43 h0.75
  text "PYRO / FUSE" at 14.749,0.5 h0.75
  text "OC PROT / LOGIC" at -38.026,-5.325 h0.75
Mechanical 1:
  lines w0.1: -15.888,-19.298 ccw(c-13.96,-17) -13.96,-20 ; -15.868,-19.318 cw(c0,0) 15.868,-19.318 ; 13.96,-20 ccw(c13.96,-17) 15.888,-19.298
  lines w0.254: -15.888,-19.298 ccw(c-13.96,-17) -13.96,-20 13.96,-20 ccw(c13.96,-17) 15.888,-19.298